# Altium PCB netv2mvp-pvt1b.PCBDOC (part 3 of 7)
Units mm, origin at the board's own origin, x right, y up, seen from the top; angles counter-clockwise.
Board outline 100 x 100 mm, 6 copper layers (L1, L2, L3, L4, L5, L6), stack 1.554 mm thick; 357 components, 296 nets, 2117 pads, 969 vias.
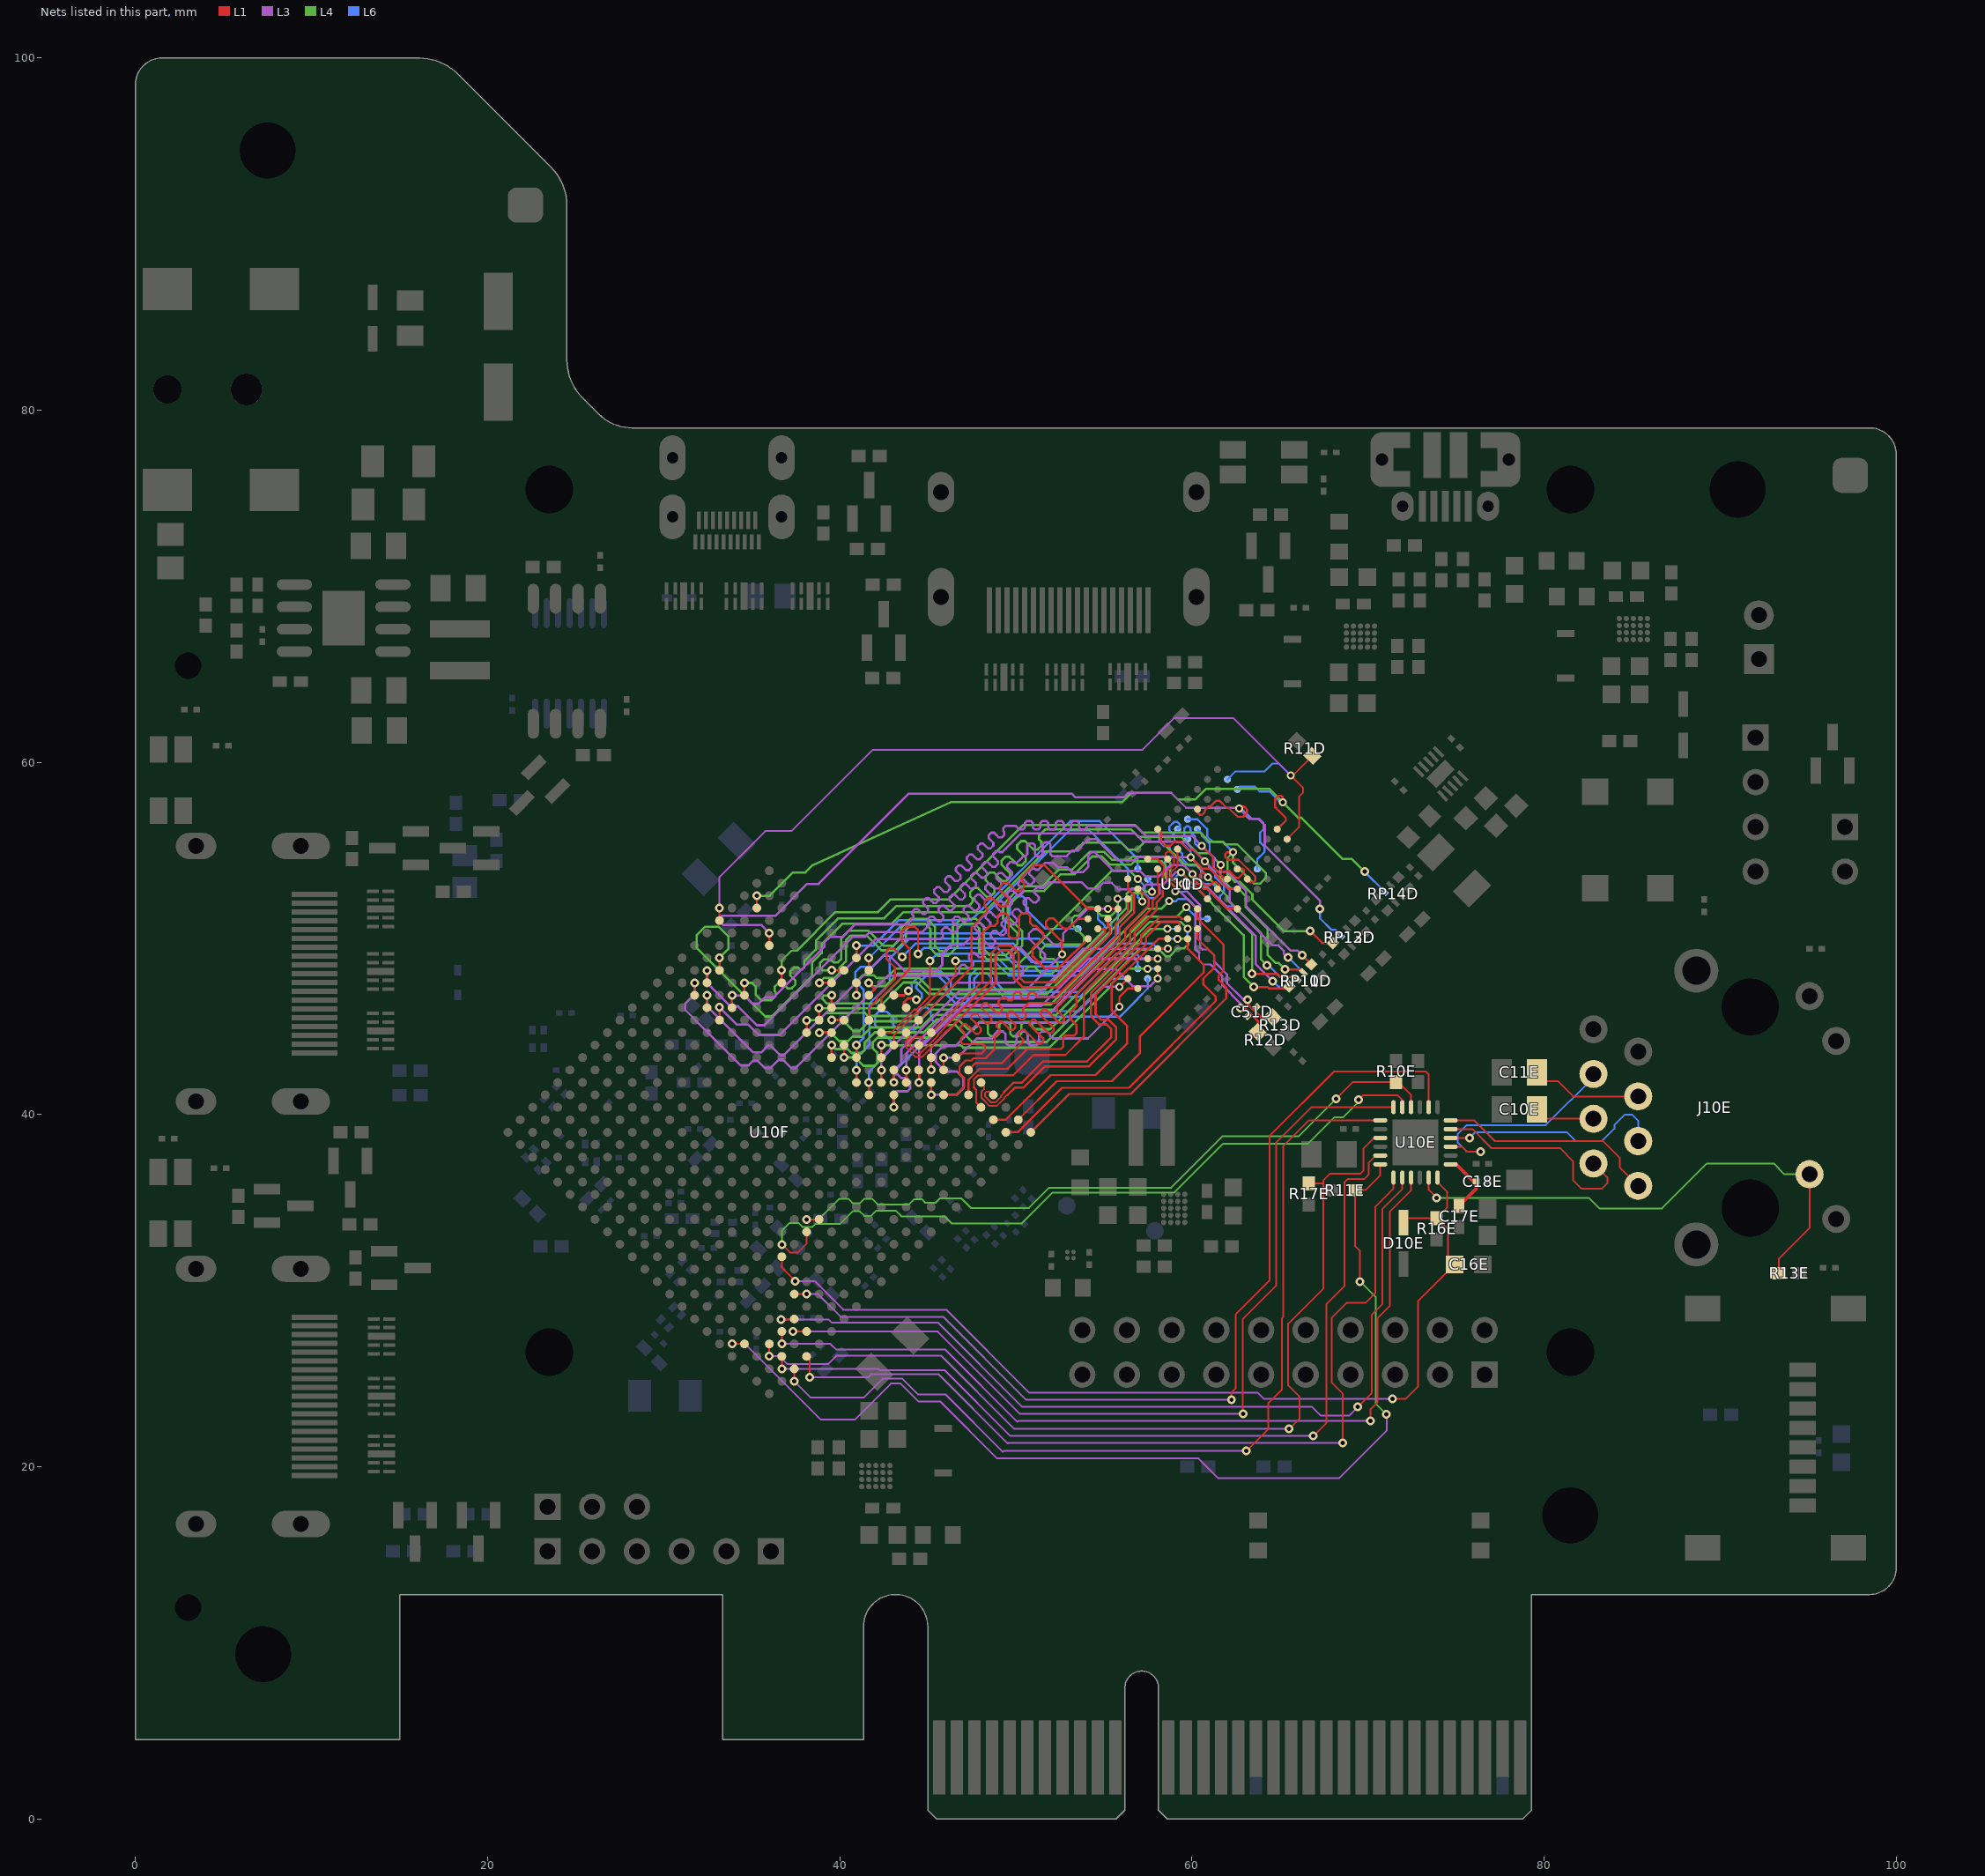
[diagram p7: the nets of this part, all layers, seen from the top]

## Via types
v1: diameter 0.5, hole 0.25, L1 to L6, tented both sides, 895 vias
v2: diameter 0.45, hole 0.25, L1 to L6, tented both sides, 57 vias
v3: diameter 0.7, hole 0.33, L1 to L6, 6 vias
v4: diameter 0.7, hole 0.33, L1 to L6, tented both sides, 5 vias
v5: diameter 0.66, hole 0.33, L1 to L6, tented top, 4 vias
v6: diameter 0.5, hole 0.25, L1 to L6, tented top, 2 vias

## Nets (pads, with @x,y where several pads share a name; then routed paths per layer and width w, separated by ;. In a path a pad name is that pad's centre, name@x,y a point inside that pad or via, vN(x,y) a via of type N, cw(c..) or ccw(c..) an arc to the next point about the centre after c; other vN are vias at no path point) (continued)
DDR3_A13: RP14D.6 U10D.T3 U10F.AA3 U11D.T3 | length 46.8
  L1 w0.12: U10F.AA3@35.293,51.728 v1(35.293,52.428) ; U11D.T3@64.847,56.21 65.338,56.7 65.338,56.846 64.73,57.453 64.73,57.92 64.923,58.113 65.06,58.113 65.166,58.008 v2(65.166,57.731)
  L4 w0.11: 58.822,58.275 59.197,57.9
  L4 w0.13: v1@35.39,52.525 35.49,52.425 36.025,52.425 37.35,53.75 38.05,53.75 38.475,54.175 46.325,57.75 56.05,57.75 56.575,58.275 58.822,58.275 ; 59.197,57.9 60.2,57.9 60.8,58.5 64.396,58.5 v2(65.166,57.731) 66.034,56.862 66.213,56.862 68.55,54.525 69.077,54.525 69.802,53.8 v1(69.825,53.8)
  L6 w0.12: U10D.T3@62.584,58.472 62.727,58.615 63.585,58.615 63.852,58.349 64.406,58.349 65.024,57.731 v2(65.166,57.731) ; v1(69.825,53.8) 69.825,53.777 RP14D.6@70.928,52.674
DDR3_BA0: RP13D.8 U10D.M2 U10F.U5 U11D.M2 | length 52.8
  L1 w0.11: 62.655,54.47 63.595,53.53
  L1 w0.12: v1(36.702,48.202) 36.702,47.491 U10F.U5@36.707,47.485 ; v2(62.337,54.902) 62.005,54.902 61.891,54.788 61.891,54.636 62.057,54.47 62.655,54.47 ; U11D.M2@63.15,53.381 63.327,53.204 63.505,53.204 63.595,53.295 63.595,53.53 ; v1(66.725,50.425) 67.402,49.748 RP13D.8@68.002,49.748
  L4 w0.11: 36.702,48.761 37.248,49.307 37.557,49.307
  L4 w0.13: v1(36.702,48.202) 36.702,48.761 ; 37.557,49.307 39.75,51.5 42.175,51.5 42.9,52.225 46.2,52.225 50.425,56.45 56.75,56.45 57.175,56.025 60.45,56.025 60.975,55.5 61.74,55.5 61.89,55.35 62.575,55.35 64.2,53.725 64.2,53.425 63.9,53.125 63.525,53.125 62.337,54.313 v2(62.337,54.902) 62.025,54.59 62.025,53.625 62.425,53.225 62.725,53.225 63.438,52.512 63.438,52.212 65.225,50.425 v1(66.725,50.425)
  L6 w0.11: 60.877,56.217 60.877,55.797 61.193,55.481 61.758,55.481
  L6 w0.12: U10D.M2@59.756,56.775 60.319,56.775 60.877,56.217 ; 61.758,55.481 v2(62.337,54.902)
DDR3_BA1: RP12D.6 U10D.N8 U10F.W4 U11D.N8 | length 56.3
  L1 w0.11: 62.08,57.422 62.586,56.917 62.909,56.917
  L1 w0.12: U10F.W4@36,49.607 v1(36,50.306) ; U11D.N8@60.321,57.341 60.321,57.143 60.438,57.026 60.58,57.026 60.739,57.185 60.739,57.292 60.951,57.504 61.057,57.504 61.382,57.829 61.566,57.829 61.973,57.422 62.08,57.422 ; v2(62.691,57.377) 62.818,57.504 62.959,57.504 63.129,57.334 63.129,57.136 62.909,56.917
  L3 w0.12: 58.822,58.275 59.672,57.425
  L3 w0.13: v1(36,50.306) 35.531,50.775 33.375,50.775 33.175,50.975 33.175,51.15 33.313,51.287 36.337,51.287 38.15,53.1 38.8,53.1 43.933,58.233 53.175,58.233 53.388,58.02 56.162,58.02 56.417,58.275 58.822,58.275 ; 59.672,57.425 62.643,57.425 v2(62.691,57.377) 63.275,56.793 63.784,56.793 64.137,56.44 64.137,55.287 67.278,52.147 v1(67.278,51.678)
  L6 w0.11: v2@62.832,57.377 63.413,56.797 63.837,56.797 64.071,56.563 64.071,56.212 63.882,56.023
  L6 w0.12: v2(62.691,57.377) v2@62.832,57.377 ; U10D.N8@63.716,53.947 63.716,54.506 64.126,54.916 64.126,55.213 63.882,55.456 63.882,56.023 ; v1(67.278,51.678) 67.278,51.147 67.925,50.5 68.152,50.5 RP12D.6@68.453,50.199
DDR3_BA2: RP11D.6 U10D.M3 U10F.V7 U11D.M3 | length 55.7
  L1 w0.11: v2(61.63,54.195) 61.63,53.912 61.772,53.771 61.913,53.771 ; U11D.M3@62.62,53.982 62.86,53.982 62.959,53.883 62.959,53.742
  L1 w0.12: U10F.V7@34.586,46.778 v1(34.586,47.478) ; 61.913,53.771 61.983,53.841 62.125,53.841 62.521,53.445 62.662,53.445 62.959,53.742 ; U11D.M3@62.584,53.947 U11D.M3@62.62,53.982 ; v1(65.3,48.25) 66.16,48.25 RP11D.6@66.332,48.078
  L4 w0.13: v1(34.586,47.478) 35.025,47.478 35.225,47.278 35.225,46.825 35.55,46.5 36.125,46.5 36.25,46.625 36.361,46.736 36.361,46.959 36.301,47.019 36.301,47.242 36.524,47.465 36.747,47.465 36.918,47.293 37.044,47.168 37.266,47.168 37.489,47.39 37.489,47.613 37.364,47.739 37.192,47.91 37.192,48.133 37.415,48.356 37.638,48.356 37.743,48.25 37.875,48.25 37.975,48.35 37.975,48.7 38.65,49.375 38.65,49.875 39.925,51.15 42.525,51.15 43.225,51.85 47.325,51.85 47.425,51.95 47.536,52.061 47.536,52.284 47.406,52.415 47.406,52.638 47.628,52.86 47.851,52.86 48.093,52.618 48.335,52.376 48.558,52.376 48.781,52.599 48.781,52.822 48.539,53.064 48.297,53.306 48.297,53.529 48.519,53.751 48.742,53.751 48.984,53.509 49.226,53.267 49.449,53.267 49.672,53.49 49.672,53.712 49.43,53.955 49.187,54.197 49.187,54.42 49.41,54.642 49.633,54.642 49.875,54.4 50.117,54.158 50.34,54.158 50.563,54.381 50.563,54.603 50.321,54.846 50.078,55.088 50.078,55.311 50.301,55.533 50.524,55.533 50.766,55.291 51.008,55.049 51.231,55.049 51.454,55.272 51.454,55.494 51.323,55.625 51.323,55.848 51.657,56.182 51.675,56.2 51.99,56.2 52.575,56.2 56.525,56.2 56.95,55.775 59.375,55.775 60.3,54.85 60.975,54.85 v2(61.63,54.195) 61.63,53.445 62.25,52.825 62.65,52.825 63.05,52.425 63.05,51.8 64.3,50.55 64.3,49.075 64.75,48.625 64.925,48.625 v1(65.3,48.25)
  L6 w0.11: 60.569,55.822 61.007,55.384 61.007,54.818
  L6 w0.12: U10D.M3@60.321,56.21 60.569,55.962 60.569,55.822 ; 61.007,54.818 v2(61.63,54.195)
DDR3_CAS_N: RP10D.6 U10D.K3 U10F.Y7 U11D.K3 | length 55.3
  L1 w0.11: 60.442,53.586 60.442,53.318 60.751,53.009 61.009,53.009 ; 61.381,53.205 61.545,53.042 U11D.K3@61.545,52.907
  L1 w0.12: U10F.Y7@33.172,48.192 v1(33.172,48.892) ; 60.442,53.586 60.583,53.728 60.683,53.728 v2(60.923,53.488) ; 61.009,53.009 61.206,53.205 61.381,53.205 ; U11D.K3@61.453,52.816 U11D.K3@61.545,52.907
  L4 w0.11: 55.987,55.446 56.383,55.05
  L4 w0.13: v1(33.172,48.892) 33.675,49.396 33.675,50.125 33.125,50.675 32.375,50.675 31.875,50.175 31.875,49.475 35.775,45.575 36.15,45.575 38.425,47.85 38.425,48.625 38.975,49.175 38.975,49.675 40.133,50.833 42.958,50.833 43.625,51.5 48.225,51.5 51.675,54.95 53.325,54.95 53.821,55.446 55.987,55.446 ; 56.383,55.05 56.875,55.05 57.312,55.487 58.288,55.487 59.575,54.2 60.211,54.2 v2(60.923,53.488) 62.025,52.386 62.025,52.225 63.925,50.325 63.925,48.825 v1(64.275,48.475)
  L6 w0.11: 59.462,54.807 59.462,54.525 59.838,54.148 60.263,54.148
  L6 w0.12: U10D.K3@59.19,55.078 59.462,54.807 ; 60.263,54.148 v2(60.923,53.488) ; v1(64.275,48.475) 64.35,48.475 64.975,47.85 65.853,47.85 RP10D.6@65.978,47.724
DDR3_CK_N: C51D.1 R13D.1 U10D.K7 U10F.R2 U11D.K7 | length 50.9
  L1 w0.098: U11D.K7@59.19,55.078 59.19,54.115 58.809,53.734 58.809,53.474 59.105,53.177 59.395,53.177 v2(59.474,53.099)
  L1 w0.13: v1(39.543,48.192) U10F.R2@40.243,48.192 ; v1(63.175,46.525) 63.175,46.278 63.929,45.524 R13D.1@64.601,45.524
  L3 w0.1: 60.6,49.375 60.934,49.375 61.25,49.059 61.25,48.707
  L3 w0.13: v2(59.474,53.099) 59.474,52.896 60.47,51.899 60.47,49.505 60.6,49.375 ; 61.25,48.707 62,47.957 62,47.453 62.928,46.525 v1(63.175,46.525)
  L4 w0.13: v1(39.543,48.192) 39.033,48.192 38.875,48.35 38.875,48.6 39.1,48.825 39.475,48.825 39.65,48.65 39.9,48.65 40.08,48.83 40.08,50.012 40.159,50.091 40.513,50.445 41.63,50.445 42.475,49.6 43.05,49.6 43.5,50.05 43.5,50.607 44.013,51.12 44.962,51.12 45.42,50.662 45.42,49.555 45.675,49.3 46.05,49.3 46.425,49.675 46.425,50.675 46.866,51.116 47.759,51.116 48.195,50.68 48.195,49.38 48.5,49.075 49.468,49.075 50.1,49.707 50.1,50.3 49.275,51.125 49.275,51.932 50.313,52.97 51.495,52.97 52.025,53.5 52.45,53.925 53.218,53.925 54.143,54.85 54.222,54.929 54.996,54.929 55.075,54.85 55.45,54.475 56.443,54.475 56.543,54.575 56.622,54.654 58.403,54.654 58.77,54.287 58.77,53.57 59.24,53.099 v2(59.474,53.099)
  L6 w0.098: v2(59.474,53.099) 61.169,53.099 U10D.K7@61.453,52.816
DDR3_CK_P: C51D.2 R12D.1 U10D.J7 U10F.R3 U11D.J7 | length 51.5
  L1 w0.098: U11D.J7@58.624,54.513 58.5,54.637 58.5,54.825 58.6,54.925 58.775,54.925 58.99,54.71 58.99,54.198 58.609,53.817 58.609,53.366 59.049,52.926 v2(59.049,52.675)
  L1 w0.13: v1(38.836,47.485) U10F.R3@39.536,47.485 ; v1(62.775,46.05) 63.022,46.05 63.751,45.321 R12D.1@63.751,44.674
  L3 w0.1: 60.409,49.184 60.409,48.768 60.414,48.763 60.652,48.525 61.05,48.525
  L3 w0.13: v2(59.049,52.675) 59.313,52.675 60.2,51.787 60.2,49.393 60.409,49.184 ; 61.05,48.525 61.73,47.845 61.73,47.342 62.775,46.297 v1(62.775,46.05)
  L4 w0.13: v1(38.836,47.485) 39.126,47.775 39.725,47.775 39.975,48.025 39.975,48.325 40.35,48.7 40.35,49.9 40.625,50.175 41.518,50.175 42.363,49.33 43.162,49.33 43.77,49.938 43.77,50.495 44.125,50.85 44.85,50.85 45.15,50.55 45.15,49.443 45.484,49.109 45.563,49.03 46.162,49.03 46.241,49.109 46.695,49.563 46.695,50.563 46.978,50.846 47.647,50.846 47.925,50.568 47.925,49.268 48.234,48.959 48.388,48.805 49.58,48.805 50.37,49.595 50.37,50.412 49.545,51.237 49.545,51.82 50.425,52.7 51.607,52.7 52.562,53.655 53.33,53.655 54.334,54.659 54.884,54.659 55.338,54.205 56.555,54.205 56.734,54.384 58.291,54.384 58.5,54.175 58.5,53.458 58.579,53.379 59.049,52.908 v2(59.049,52.675)
  L6 w0.098: v2(59.049,52.675) 59.074,52.65 59.6,52.65 59.849,52.899 60.801,52.899 61,52.7 61,52.363 U10D.J7@60.887,52.25
DDR3_CKE: RP10D.7 U10D.K9 U10F.Y8 U11D.K9 | length 58.4
  L1 w0.12: U10F.Y8@32.464,47.485 v1(32.464,48.185) ; U11D.K9@58.059,56.21 58.249,56.019 58.249,55.489 58.47,55.269 58.779,55.269 59,55.489 59.001,55.495 59.341,55.495 59.793,55.044 60.074,55.044 v2(60.746,54.372)
  L3 w0.13: v1(32.464,48.185) 32.464,47.486 33.8,46.15 34.225,46.15 35.3,45.075 35.725,45.075 40.75,50.1 41.45,50.1 41.725,50.375 44.7,50.375 44.975,50.65 45.052,50.727 45.052,50.882 44.995,50.94 44.995,51.094 45.15,51.249 45.305,51.249 45.44,51.115 45.574,50.98 45.729,50.98 45.884,51.135 45.884,51.29 45.749,51.424 45.615,51.559 45.615,51.714 45.769,51.869 45.924,51.869 46.059,51.734 46.194,51.599 46.349,51.599 46.503,51.754 46.503,51.909 46.369,52.044 46.234,52.178 46.234,52.333 46.389,52.488 46.544,52.488 46.678,52.353 46.813,52.219 46.968,52.219 47.123,52.374 47.123,52.528 46.988,52.663 46.853,52.798 46.853,52.953 47.008,53.108 47.163,53.108 47.298,52.973 47.433,52.838 47.587,52.838 47.742,52.993 47.742,53.148 47.608,53.283 47.473,53.417 47.473,53.572 47.628,53.727 47.783,53.727 47.917,53.592 48.052,53.458 48.207,53.458 48.362,53.612 48.362,53.767 48.227,53.902 48.092,54.037 48.092,54.192 48.247,54.346 48.402,54.346 48.537,54.212 48.671,54.077 48.826,54.077 48.981,54.232 48.981,54.387 48.846,54.521 48.712,54.656 48.712,54.811 48.867,54.966 49.021,54.966 49.079,54.909 49.234,54.909 49.425,55.1 50.301,55.976 56.749,55.976 57.225,55.5 59.618,55.5 v2(60.746,54.372) 60.975,54.143 60.975,54 62.15,52.825 62.15,52.05 64.575,49.625 64.9,49.625 65.225,49.3 65.225,49.125 65.415,48.935 v1(65.475,48.935)
  L6 w0.12: v2(60.746,54.372) 61.323,53.795 61.323,53.475 61.828,52.97 61.828,52.639 61.601,52.413 61.601,52.13 61.898,51.833 62.436,51.833 ; v1(65.475,48.935) RP10D.7@66.332,48.078
DDR3_CS0_N: RP10D.5 U10D.L2 U10F.V9 U11D.L2 | length 58.8
  L1 w0.11: 61.005,53.972 61.643,53.334 61.643,53.226 62.054,52.816
  L1 w0.12: U10F.V9@33.172,45.364 v1@33.172,46.064 ; v2(59.933,54.619) 60.581,53.972 61.005,53.972 ; 62.054,52.816 U11D.L2@62.584,52.816
  L3 w0.13: v1(33.172,46.1) 34.148,45.123 34.802,45.123 35.4,44.525 36.6,44.525 42.05,49.975 44.825,49.975 45.068,49.975 45.506,49.975 45.725,49.975 45.857,50.107 45.857,50.262 45.799,50.319 45.799,50.474 45.954,50.629 46.109,50.629 46.244,50.494 46.379,50.359 46.533,50.359 46.688,50.514 46.688,50.669 46.554,50.804 46.419,50.938 46.419,51.093 46.574,51.248 46.729,51.248 46.863,51.113 46.998,50.979 47.153,50.979 47.308,51.133 47.308,51.288 47.173,51.423 47.038,51.558 47.038,51.713 47.193,51.867 47.348,51.867 47.483,51.733 47.617,51.598 47.772,51.598 47.927,51.753 47.927,51.908 47.792,52.042 47.658,52.177 47.658,52.332 47.813,52.487 47.967,52.487 48.102,52.352 48.237,52.217 48.392,52.217 48.547,52.372 48.547,52.527 48.412,52.662 48.277,52.797 48.277,52.951 48.432,53.106 48.587,53.106 48.722,52.972 48.856,52.837 49.011,52.837 49.166,52.992 49.166,53.147 49.031,53.281 48.897,53.416 48.897,53.571 49.051,53.726 49.206,53.726 49.341,53.591 49.476,53.456 49.631,53.456 49.785,53.611 49.785,53.766 49.651,53.901 49.516,54.035 49.516,54.19 49.671,54.345 49.826,54.345 49.883,54.288 50.038,54.288 50.27,54.52 50.425,54.675 50.544,54.675 50.654,54.785 50.654,55.29 50.763,55.4 50.982,55.4 51.092,55.29 51.092,54.785 51.201,54.675 51.42,54.675 51.53,54.785 51.53,55.35 51.639,55.46 51.858,55.46 51.968,55.35 51.968,54.785 52.077,54.675 52.406,54.675 52.625,54.675 52.875,54.675 53.2,55 53.475,55 54.125,55.65 54.55,55.65 55.75,54.45 56.74,54.45 56.91,54.619 v2(59.933,54.619) 60.525,54.028 60.525,53.25 63.625,50.15 63.625,48.55 v1(64.6,47.575)
  L6 w0.12: U10D.L2@59.19,56.21 59.317,56.337 59.317,56.478 59.183,56.613 58.992,56.613 58.723,56.344 58.723,56.139 59.01,55.853 59.01,55.598 59.148,55.46 59.409,55.46 59.933,54.936 v2(59.933,54.619) ; v1(64.6,47.575) 64.901,47.274 RP10D.5@65.528,47.274
DDR3_DM0: U10F.G1 U11D.E7 | length 23.5
  L1 w0.12: U10F.G1@46.607,43.243 46.839,43.475 48.05,43.475 48.25,43.675 48.25,43.875 48.125,44 47,44 46.887,44.113 46.887,44.312 47,44.425 47.074,44.499 47.074,44.648 46.869,44.853 46.869,45.001 47.018,45.15 47.166,45.15 47.445,44.87 47.725,44.591 47.873,44.591 48.022,44.74 48.022,44.888 47.742,45.167 47.463,45.447 47.463,45.595 47.612,45.744 47.76,45.744 48.039,45.464 48.319,45.185 48.467,45.185 48.616,45.334 48.616,45.482 48.336,45.761 48.057,46.041 48.057,46.189 48.206,46.338 48.354,46.338 48.633,46.058 48.913,45.779 49.061,45.779 49.21,45.928 49.21,46.076 49.005,46.281 49.005,46.43 49.227,46.652 49.25,46.675 49.383,46.675 49.46,46.598 49.565,46.493 49.775,46.493 49.88,46.598 49.88,46.675 49.88,46.846 49.985,46.951 50.195,46.951 50.3,46.846 50.3,46.675 50.404,46.571 50.616,46.571 50.72,46.675 50.72,46.846 50.825,46.951 51.035,46.951 51.14,46.846 51.14,46.78 51.245,46.675 51.475,46.675 52.275,46.675 55.675,50.075 55.675,50.825 56.362,51.512 U11D.E7@56.362,52.25
DDR3_DM1: U10F.H4 U11D.D3 | length 19.5
  L1 w0.12: U10F.H4@43.778,41.828 v1(43.778,42.528) ; U11D.D3@58.059,49.421 v2(58.627,49.421)
  L3 w0.13: v1(43.778,42.528) 43.778,43.478 46.9,46.6 51,46.6 53.821,49.421 v2(58.627,49.421)
DDR3_DM2: U10D.E7 U10F.M5 | length 26.9
  L1 w0.12: v1(40.243,43.25) U10F.M5@40.243,43.95
  L4 w0.13: v1(40.243,43.25) 40.875,43.25 41.35,42.775 41.975,42.775 42.125,42.925 42.125,43.525 41.875,43.775 41.875,44.1 42.15,44.375 45.1,44.375 45.807,45.082 46.575,45.082 47.532,44.125 51.75,44.125 57,49.375 58.125,49.375 58.5,49 58.75,49 59.193,49.443 59.568,49.443 59.8,49.675 59.8,49.85 59.663,49.987 v2(59.193,49.987)
  L6 w0.12: U10D.E7@58.624,49.987 v2(59.193,49.987)
DDR3_DM3: U10D.D3 U10F.L3 | length 19.1
  L1 w0.11: U10F.L3@42.364,44.657 42.93,44.657 44.237,45.964 44.356,45.964 45.125,46.733 45.125,46.85
  L1 w0.12: 45.125,46.85 v1(45.125,48.725)
  L6 w0.12: v1(45.125,48.725) 45.55,49.15 48.712,49.15 49.687,48.175 53.675,48.175 55.796,50.296 U10D.D3@55.796,51.684
DDR3_DQ0: U10F.C2 U11D.E3 | length 17.4
  L1 w0.11: 55.45,47.35 55.45,47.425 56.037,48.012 56.138,48.012
  L1 w0.12: U10F.C2@48.728,39.707 49.432,39.707 51.975,42.25 54.525,42.25 56.325,44.05 56.325,45.025 55.45,45.9 55.45,47.35 ; 56.138,48.012 58.112,49.987 U11D.E3@58.624,49.987
DDR3_DQ1: U10F.F1 U11D.F7 | length 22.6
  L1 w0.12: U10F.F1@47.314,42.536 47.703,42.925 49.2,42.925 50.339,44.064 50.413,44.138 50.413,44.287 50.19,44.51 50.19,44.659 50.339,44.807 50.487,44.807 50.785,44.51 51.263,44.031 51.412,44.031 51.56,44.18 51.56,44.328 51.082,44.807 50.795,45.093 50.795,45.242 50.944,45.39 51.092,45.39 51.379,45.104 51.857,44.625 52.005,44.625 52.154,44.774 52.154,44.922 51.676,45.401 51.4,45.676 51.4,45.825 51.548,45.973 51.697,45.973 51.973,45.698 52.451,45.219 52.599,45.219 52.748,45.368 52.748,45.516 52.344,45.92 52.344,46.069 52.541,46.266 56.225,49.95 56.225,50.55 57.55,51.875 57.55,52.255 56.99,52.816 U11D.F7@56.927,52.816 U11D.F7@56.925,52.813
DDR3_DQ2: U10F.B1 U11D.F2 | length 16.8
  L1 w0.12: U10F.B1@50.142,39.707 52.335,41.9 55.45,41.9 57.05,43.5 57.05,44.45 60.675,48.075 60.675,48.502 59.756,49.421 U11D.F2@59.756,49.987
DDR3_DQ3: U10F.F3 U11D.F8 | length 22.3
  L1 w0.11: 50.475,46.075 50.75,46.35
  L1 w0.12: U10F.F3@45.899,41.121 46.596,41.121 47.075,41.6 47.075,42.075 46.8,42.35 46.8,42.725 47.15,43.075 47.475,43.075 47.6,43.2 48.275,43.2 48.8,43.725 48.8,44.4 48.913,44.512 49,44.6 49.074,44.674 49.074,44.823 48.912,44.985 48.912,45.134 49.06,45.282 49.209,45.282 49.445,45.045 49.682,44.809 49.831,44.809 49.979,44.957 49.979,45.106 49.742,45.342 49.506,45.579 49.506,45.728 49.654,45.876 49.803,45.876 50.039,45.639 50.276,45.403 50.425,45.403 50.573,45.551 50.573,45.7 50.411,45.862 50.411,46.011 50.475,46.075 50.75,46.35 52.3,46.35 55.9,49.95 55.9,50.65 56.725,51.475 56.725,52.45 56.362,52.813 U11D.F8@56.362,53.381
DDR3_DQ4: U10F.A1 U11D.H3 | length 20.2
  L1 w0.12: U10F.A1@50.849,39 53.024,41.175 56.525,41.175 61.95,46.6 61.95,47.225 61.525,47.65 61.525,47.9 61.8,48.175 61.8,49.654 60.321,51.133 U11D.H3@60.321,51.684
DDR3_DQ5: U10F.D2 U11D.H8 | length 21.7
  L1 w0.11: 47.621,41.534 47.621,41.994 47.855,42.228 48.1,42.228
  L1 w0.12: 47.621,41.534 47.75,41.404 47.75,40.685 U10F.D2@48.021,40.414 ; 48.1,42.228 49.84,42.228 51.003,43.391 52.816,43.391 53.875,44.45 53.875,46.925 56.75,49.8 56.75,50.375 57.987,51.612 57.987,52.038 58.35,52.4 58.35,53.743 58.409,53.802 58.409,54.141 58.037,54.513 U11D.H8@57.493,54.513
DDR3_DQ6: U10F.B2 U11D.G2 | length 20.1
  L1 w0.12: U10F.B2@49.435,39 50.1,39 52.625,41.525 56.425,41.525 61.35,46.45 61.35,46.7 60.65,47.4 60.65,47.725 61.284,48.359 61.284,49.025 60.321,49.987 U11D.G2@60.321,50.553
DDR3_DQ7: U10F.E2 U11D.H7 | length 19.9
  L1 w0.11: 47.314,41.97 47.943,42.599
  L1 w0.12: U10F.E2@47.314,41.121 47.314,41.97 ; 47.943,42.599 49.524,42.599 50.649,43.724 52.549,43.724 52.7,43.875 52.7,44.375 52.813,44.488 53.312,44.488 53.45,44.625 53.45,45.075 53.1,45.425 53.1,45.825 53.45,46.175 53.45,46.825 56.487,49.862 56.487,50.463 57.775,51.75 57.775,52.15 58.116,52.491 58.116,52.975 58.059,53.032 U11D.H7@58.059,53.947
DDR3_DQ8: U10F.J5 U11D.D7 | length 23.9
  L1 w0.12: U10F.J5@42.364,41.828 v1(42.364,42.528) ; v2(55.227,51.684) U11D.D7@55.796,51.684
  L3 w0.13: v1(42.364,42.528) 42.364,43.214 46.65,47.5 49.9,47.5 50.287,47.887 50.417,48.017 50.417,48.275 49.708,48.983 49.708,49.241 49.966,49.499 50.224,49.499 51.062,48.662 51.137,48.587 51.395,48.587 51.653,48.845 51.653,49.103 51.578,49.178 50.74,50.015 50.74,50.274 50.999,50.532 51.257,50.532 52.094,49.694 52.169,49.619 52.427,49.619 52.685,49.877 52.685,50.135 52.685,50.285 52.962,50.562 54.084,51.684 v2(55.227,51.684)